# Altium PCB PCB1.PcbDoc (part 2 of 2)
Units mm, origin at the board's own origin, x right, y up, seen from the top; angles counter-clockwise.
Board outline 78 x 59.5 mm, 4 copper layers (Top Layer, Int1 (GND), Int2 (PWR), Bottom Layer), stack 1.586 mm thick; 216 components, 130 nets, 654 pads, 382 vias.
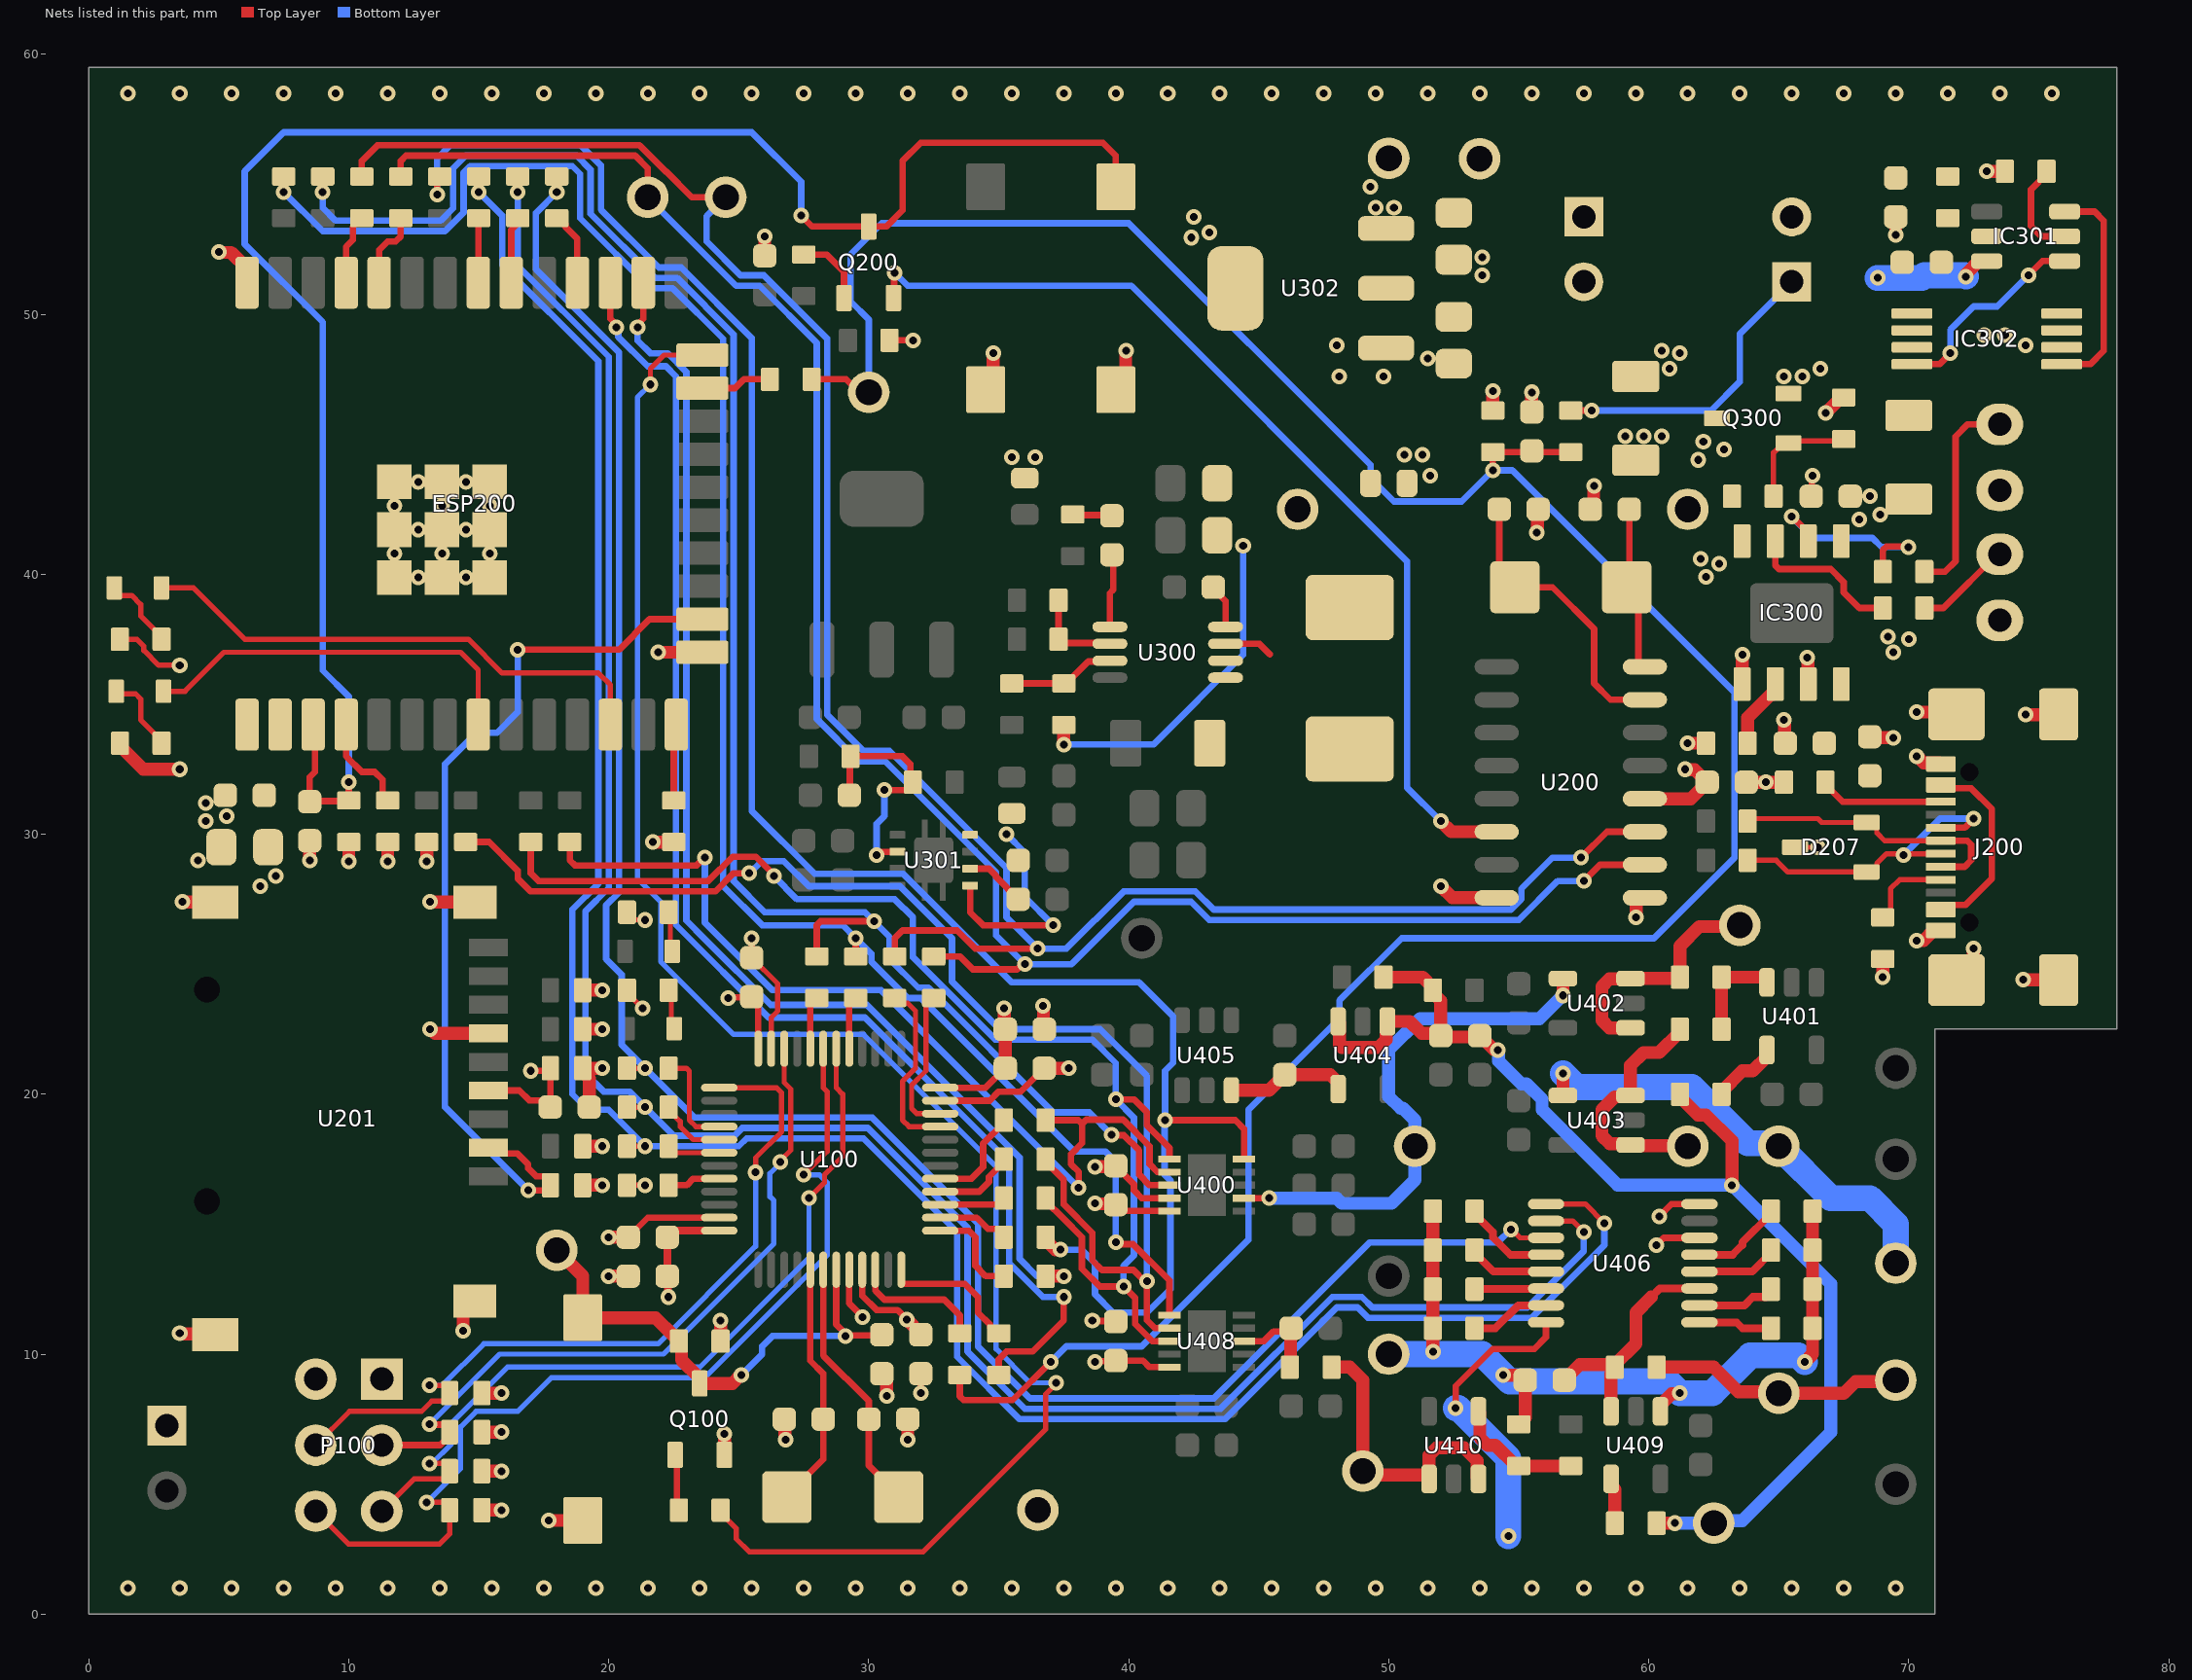
[diagram p4: the nets of this part, all layers, seen from the top]

## Via types
v1: diameter 0.6, hole 0.3, Top Layer to Bottom Layer, tented both sides, 382 vias

## Nets (pads, with @x,y where several pads share a name; then routed paths per layer and width w, separated by ;. In a path a pad name is that pad's centre, name@x,y a point inside that pad or via, vN(x,y) a via of type N, cw(c..) or ccw(c..) an arc to the next point about the centre after c; other vN are vias at no path point) (continued)
GND: B100.1 C100.1 C102.1 C103.1 C104.1 C105.1 C106.1 C107.1 C108.1 C109.1 C200.1 C201.1 C202.1 C203.1 C204.1 C205.1 C206.1 C207.2 C208.2 C300.1 C303.2 C307.1 C314.1 C315.1 C316.1 C400.1 C412.1 D103.2 D104.2 D105.2 D106.2 D202.2 D203.2 D204.2 D205.2 D206.2 D207.3 ESP200. ESP200.1 ESP200.15 ESP200.38 ESP200.39 FB301.1 IC300.1 IC300.3 IC302.6 IC302.7 J200.A1B12 J200.A12B1 J200.S1 J200.S2 J200.S3 J200.S4 MODE200.1 P100.2 Q100.2 R111.2 R206.2 R210.1 R211.1 R304.1 R309.2 R312.2 R315.2 S200.2 S201.2 U100.8 U100.23 U100.35 U100.47 U200.1 U201.6 U201.10 U201.11 U201.12 U201.13 U302.1 U400.9 U406.6 U406.8 | length 81.3
  Top Layer w0.2: R111.2@20.7,16.5 v1(21.4,16.5) ; C106.1@25.5,25.25 26.5,24.25 26.5,23.2 26.25,22.95 U100.35@26.25,21.75 ; D207.3@65.625,29.5 v1(66.5,29.5)
  Top Layer w0.25: C104.1@20.75,14.5 21.5,15.25 U100.47@24.25,15.25 ; C106.1@25.5,25.25 v1(25.5,26) ; U100.8@29.25,13.25 29.25,11.954 29.766,11.438 v1(29.766,11.421) ; v1(32,8.5) C103.1@32,9.25 ; U100.23@32.75,19.75 34.65,19.75 35,20.1 35.85,20.1 C108.1@36.75,21 ; v1(38.6,11.3) 38.625,11.275 39.475,11.275 C412.1@39.5,11.25 ; C400.1@39.5,17.25 39.5,17.234 40.2,16.534 40.2,16.3 40.5,16 U400.9@41.565,16 ; v1(60.3,14.2) 60.575,14.475 U406.6@61.95,14.475 ; v1(60.4,15.3) 60.875,15.775 U406.8@61.95,15.775 ; C300.1@66.25,43 66.275,43.025 66.275,43.775 v1(66.3,43.8)
  Top Layer w0.5: v1(3.5,10.8) 3.519,10.781 4.833,10.781 U201.12@4.869,10.745 ; v1(3.6,27.4) 3.609,27.391 4.86,27.391 U201.11@4.869,27.382 ; v1(5,52.4) 5.019,52.381 5.474,52.381 6.09,51.765 ESP200.38@6.09,51.215 ; v1(8.5,29) C202.1@8.5,29.75 ; v1(13.125,22.5) 13.152,22.5 13.311,22.341 U201.6@15.377,22.341 ; v1(13.125,27.4) 13.134,27.391 14.85,27.391 U201.10@14.859,27.382 ; v1(14.4,10.9) 14.4,11.655 14.785,12.04 U201.13@14.851,12.04 ; D105.2@15.122,4 v1(15.872,4) ; D104.2@15.122,5.5 v1(15.872,5.5) ; D103.2@15.122,7 v1(15.872,7) ; D106.2@15.122,8.5 15.124,8.499 15.874,8.499 v1(15.875,8.497) ; v1(17.7,3.6) B100.1@19,3.6 ; D205.2@19,16.5 v1(19.75,16.5) ; D204.2@19,18 v1(19.75,18) ; D203.2@19,22.5 v1(19.75,22.5) ; D202.2@19,24 v1(19.75,24) ; C206.1@19.25,19.5 19.25,20.61 19,20.86 D206.2@19,21 v1(19.75,21) ; v1(20,13) C107.1@20.75,13 ; v1(20,14.5) C104.1@20.75,14.5 ; v1(21.7,29.7) R206.2@22.5,29.7 ; v1(21.9,37) ESP200.15@23.6,37 ; Q100.2@24.45,6.125 v1(24.45,6.925) ; C203.1@26,52.25 v1(26,53) ; C109.1@26.75,7.5 26.781,7.469 26.781,6.719 v1(26.8,6.7) ; C100.1@30.5,9.25 30.681,9.069 30.681,8.419 v1(30.7,8.4) ; v1(31.5,6.7) C102.1@31.5,7.5 ; S201.2@34.5,47.1 34.781,47.381 34.781,48.481 v1(34.8,48.5) ; v1(36.7,23.4) 36.719,23.381 36.719,22.531 C105.1@36.75,22.5 ; C108.1@36.75,21 v1(37.7,21) ; v1(38.7,17.2) 38.719,17.219 39.469,17.219 C400.1@39.5,17.25 ; S200.2@39.5,47.1 39.881,47.481 39.881,48.581 v1(39.9,48.6) ; R315.2@54,46.3 v1(54,47.05) ; C314.1@55.5,46.25 v1(55.5,47) ; v1(55.7,41.6) 55.719,41.619 55.719,42.469 C208.2@55.75,42.5 ; C207.2@57.75,42.5 57.881,42.631 57.881,43.381 v1(57.9,43.4) ; v1(59.5,26.8) 59.519,26.819 59.519,27.509 59.565,27.555 U200.1@59.85,27.555 ; v1(61.5,33.5) R304.1@62.2,33.5 ; IC300.1@63.595,35.775 63.598,35.778 63.598,36.898 v1(63.6,36.9) ; C204.1@63.75,32 v1(64.5,32) R211.1@65.2,32 ; v1(65.2,34.4) 65.219,34.381 65.219,33.531 C303.2@65.25,33.5 ; v1(66.1,36.8) 66.118,36.782 66.118,35.793 IC300.3@66.135,35.775 ; v1(66.8,46.2) 67.4,46.8 R309.2@67.5,46.8 ; C205.1@68.5,33.75 68.531,33.719 69.381,33.719 v1(69.4,33.7) ; v1(69,24.5) R210.1@69,25.2 ; v1(69.5,53.05) C307.1@69.5,53.75 ; v1(70.3,25.9) 70.319,25.919 70.579,25.919 70.96,26.3 J200.A1B12@71.235,26.3 ; v1(70.3,33) 70.327,33 70.577,32.75 71.185,32.75 J200.A12B1@71.235,32.7 ; v1(70.3,34.7) 71.745,34.7 J200.S2@71.835,34.61 ; J200.S1@71.835,24.39 72.488,25.043 72.488,25.588 v1(72.5,25.6) ; v1(73,55.5) R312.2@73.7,55.5 ; v1(74.4,24.4) 75.755,24.4 J200.S3@75.765,24.39 ; v1(74.5,34.6) 75.755,34.6 J200.S4@75.765,34.61
  other v1: 1.5,1 3.5,1 5.5,1 7.5,1 9.5,1 11.5,1 13.5,1 15.5,1 17.5,1 19.5,1 21.5,1 23.5,1 25.5,1 27.5,1 29.5,1 31.5,1 33.5,1 35.5,1 37.5,1 39.5,1 41.5,1 43.5,1 45.5,1 47.5,1 49.5,1 51.5,1 53.5,1 55.5,1 57.5,1 59.5,1 61.5,1 63.5,1 65.5,1 67.5,1 69.5,1 4.2,29 4.5,30.5 5.3,30.7 4.5,31.2 35.5,44.5 36.4,44.5 48.1,47.6 49.8,47.6 51.5,48.3 48,48.8 74.5,48.8 72.9,49.2 73.7,49.2 53.6,51.5 53.6,52.2 1.5,58.5 3.5,58.5 5.5,58.5 7.5,58.5 9.5,58.5 11.5,58.5 13.5,58.5 15.5,58.5 17.5,58.5 19.5,58.5 21.5,58.5 23.5,58.5 25.5,58.5 27.5,58.5 29.5,58.5 31.5,58.5 33.5,58.5 35.5,58.5 37.5,58.5 39.5,58.5 41.5,58.5 43.5,58.5 45.5,58.5 47.5,58.5 49.5,58.5 51.5,58.5 53.5,58.5 55.5,58.5 57.5,58.5 59.5,58.5 61.5,58.5 63.5,58.5 65.5,58.5 67.5,58.5 69.5,58.5 71.5,58.5 73.5,58.5 75.5,58.5
MCU_SPI_MISO: R116.2 U100.16 | length 3.1
  Top Layer w0.25: U100.16@32.75,16.25 34.25,16.25 34.621,16.621 34.621,16.821 35.2,17.4 R116.2@35.2,17.5
MCU_SPI_MOSI: R117.2 U100.17 | length 4
  Top Layer w0.25: U100.17@32.75,16.75 33.95,16.75 34.4,17.2 34.4,18.1 35.2,18.9 R117.2@35.2,19
MCU_SPI_SCLK: R115.2 U100.15 | length 2.6
  Top Layer w0.25: U100.15@32.75,15.75 34.975,15.75 35.2,15.975 R115.2@35.2,16
NET: ESP200.4 R203.1 | length 3.9
  Top Layer w0.25: ESP200.4@9.9,34.215 9.9,33 10.5,32.4 11,32.4 11.3,32.1 11.3,31.5 R203.1@11.5,31.3
NetC207_1: C207.1 U200.8 X200.1 | length 6.4
  Top Layer w0.25: C207.1@59.25,42.5 59.25,39.6 X200.1@59.15,39.5 59.605,39.045 59.605,36.607 59.767,36.445 U200.8@59.85,36.445
NetC208_1: C208.1 U200.7 X200.2 | length 11.3
  Top Layer w0.25: C208.1@54.25,42.5 54.25,40.1 X200.2@54.85,39.5 56.3,39.5 57.9,37.9 57.9,35.8 58.525,35.175 U200.7@59.85,35.175
NetC301_2: C301.2 C317.2 FB300.2 L300.1 R302.2 TP302.1 U300.6 U300.7 | length 15.1
  Top Layer w0.25: U300.7@43.725,37.325 45.025,37.325 45.425,36.925
  Top Layer w0.5: v1(37.5,33.45) R302.2@37.5,34.2
  Bottom Layer w0.25: v1(37.5,33.45) 40.95,33.45 44.4,36.9 v1(44.4,41.1)
NetC304_1: C304.1 R307.2 | length 1.5
  Top Layer w0.25: R307.2@37.85,42.3 37.875,42.275 39.325,42.275 C304.1@39.35,42.25
NetC304_2: C304.2 U300.1 | length 2.8
  Top Layer w0.25: U300.1@39.275,37.975 39.275,39.275 39.4,39.4 39.4,40.7 C304.2@39.35,40.75
NetC305_2: C305.2 U300.8 | length 1.7
  Top Layer w0.25: C305.2@43.25,39.5 43.25,39.446 43.725,38.971 U300.8@43.725,37.975
NetC306_1: C306.1 IC301.6 IC302.2 IC302.3 SW302.2 | length 4.6
  Top Layer w0.5: v1(72.2,51.45) 72.219,51.469 72.219,51.569 72.7,52.05 IC301.6@73,52.05
  Bottom Layer w1: v1(68.8,51.4) 70.5,51.4 70.6,51.5 72.15,51.5 v1(72.2,51.45)
NetC306_2: C306.2 IC301.5 R310.1
NetC309_2: C309.2 FB302.2 U301.5 U301.8 | length 8.7
  Top Layer w0.25: U301.5@33.9,28.025 33.9,27 34.4,26.5 v1(37.1,26.5)
  Bottom Layer w0.25: v1(35.3,30) 36,29.3 36,27.6 v1(37.1,26.5)
NetC310_1: C310.1 R311.1 R314.2 U301.2 | length 9.4
  Top Layer w0.25: C310.1@29.25,31.5 29.275,31.525 29.275,32.975 R311.1@29.3,33 31.3,33 31.6,32.7 31.6,32.1 R314.2@31.7,32 31.7,31.925 31.475,31.7 v1(30.6,31.7) ; v1(30.301,29.202) 30.396,29.202 30.518,29.325 U301.2@31.1,29.325
  Bottom Layer w0.25: v1(30.301,29.202) 30.301,30.401 30.6,30.7 v1(30.6,31.7)
NetC313_2: C313.2 U301.6 | length 2.4
  Top Layer w0.25: U301.6@33.9,28.675 34.625,28.675 34.9,28.4 34.9,28.35 C313.2@35.75,27.5
NetC314_2: C314.2 R118.1 R217.2 R313.2 R315.1 TP309.1 | length 104
  Top Layer w0.25: R217.2@27.8,47.5 29.135,47.5 29.635,47 TP309.1@30,47 ; R118.1@33.5,9.2 33.5,8.38 33.646,8.234 35.534,8.234 v1(37,9.7) ; v1(54,44) R315.1@54,44.7 R313.2@57,44.7
  Bottom Layer w0.25: TP309.1@30,47 30,49.8 29.3,50.5 29.3,52.3 30.5,53.5 40,53.5 49.3,44.2 49.3,43.7 50.2,42.8 52.8,42.8 v1(54,44) 54.75,44 63.3,35.45 63.3,29.1 60.2,26 50.5,26 48.1,23.6 48.1,22.9 44.6,19.4 44.6,14.4 44.3,14.1 40.5,10.3 37.6,10.3 v1(37,9.7)
NetC409_2: C409.2 U404.4 U405.6 | length 4.7
  Top Layer w0.5: U405.6@43.95,20.15 45.4,20.15 C409.2@46,20.75 47.75,20.75 48.05,20.45 U404.4@48.05,20.2
NetC414_1: C414.1 R413.1 U406.3 U409.3 | length 9.3
  Top Layer w0.3: 60.1,12.2 60.425,12.525 U406.3@61.95,12.525
  Top Layer w0.5: C414.1@56.75,9 57.35,9.6 58.6,9.6 R413.1@58.7,9.5 ; U409.3@58.55,7.8 58.55,9.25 58.7,9.4 R413.1@58.7,9.5 ; 60.1,12.2 59.507,11.607 59.507,10.407 58.7,9.6 R413.1@58.7,9.5
NetC414_2: C414.2 R405.2 R406.2 R407.2 R408.2 R409.2 R410.2 R411.2 R412.2 R414.1 TP409.1 U409.1 | length 32.6
  Top Layer w0.5: v1(51.7,10.1) R407.2@51.7,11 R406.2@51.7,12.5 R405.2@51.7,14 R408.2@51.7,15.5 ; v1(54.4,9.2) 54.419,9.181 55.069,9.181 C414.2@55.25,9 55.25,7.55 55.2,7.5 55.2,7.4 55.1,7.3 R414.1@55,7.3 ; U409.1@60.45,7.8 60.45,8.05 60.881,8.481 61.181,8.481 v1(61.2,8.5) ; v1(66,9.7) 66.3,10 R409.2@66.3,11 R411.2@66.3,12.5 R412.2@66.3,14 R410.2@66.3,15.5
  Bottom Layer w1: TP409.1@50,10 53.6,10 v1(54.4,9.2) 54.65,8.95 60.75,8.95 v1(61.2,8.5) 62.45,8.5 63.9,9.95 65.75,9.95 v1(66,9.7)
NetC416_2: C416.2 R415.2 U408.3 | length 3.7
  Top Layer w0.25: U408.3@44.25,10.5 45.2,10.5 45.576,10.876 46.126,10.876 C416.2@46.25,11
  Top Layer w0.5: R415.2@46.2,9.5 46.225,9.525 46.225,10.975 C416.2@46.25,11
NetD100_1: D100.1 R102.1 | length 1.6
  Top Layer w0.2: R102.1@22.3,27 22.37,26.93 22.37,25.57 D100.1@22.44,25.5
NetD101_1: D101.1 R103.1 | length 1.6
  Top Layer w0.2: R103.1@22.3,24 22.408,23.892 22.408,22.633 D101.1@22.516,22.525
NetD200_1: D200.1 R200.1 | length 3.1
  Top Layer w0.2: D200.1@1.06,35.5 1.16,35.4 1.8,35.4 2,35.2 2,34.4 2.8,33.6 R200.1@2.8,33.5
NetD201_1: D201.1 R201.1 | length 3
  Top Layer w0.2: D201.1@0.984,39.475 0.984,39.385 1.184,39.185 1.655,39.185 2,38.84 2,38.4 2.8,37.6 R201.1@2.8,37.5
NetD207_1: D207.1 J200.A6 J200.B6 R208.2 | length 12.7
  Top Layer w0.2: R208.2@63.8,29 64.9,29 65.35,28.55 D207.1@68.375,28.55 68.575,28.55 68.775,28.75 68.775,28.875 69.15,29.25 v1@69.8,29.25 ; v1(69.8,29.2) 69.85,29.25 J200.A6@71.235,29.25
  Top Layer w0.25: J200.B6@71.235,30.25 72.15,30.25 v1(72.5,30.6)
  Bottom Layer w0.25: v1(69.8,29.2) 71.2,30.6 v1(72.5,30.6)
NetD207_2: D207.2 J200.A7 J200.B7 R207.2 | length 11
  Top Layer w0.2: R207.2@63.8,30.5 63.9,30.6 66.5,30.6 66.65,30.45 68.569,30.45 68.769,30.25 68.769,30.055 69.075,29.75 J200.A7@71.235,29.75
  Top Layer w0.25: J200.B7@71.235,28.75 72.15,28.75 72.4,29 72.4,29.6 72.25,29.75 J200.A7@71.235,29.75
NetD300_1: D300.1 L300.2 U300.5
NetD301_2: D301.2 R301.2 | length 3.8
  Top Layer w0.25: R301.2@70.6,38.7 71.33,38.7 73.4,40.77 D301.2@73.5,40.77
NetD302_2: D302.2 D303.2 Q300.2 SW301.1 TP307.1
  other v1: 65.2,47.6 65.9,47.6 60.8,47.9 66.6,47.9 61.2,48.5 60.5,48.6
NetD304_2: D304.2 R303.2 | length 8.1
  Top Layer w0.25: R303.2@70.6,40.1 71.4,40.1 71.8,40.5 71.8,45.3 72.27,45.77 D304.2@73.5,45.77
NetESP200_14: ESP200.14 R206.1 | length 3
  Top Layer w0.25: R206.1@22.5,31.3 22.5,34.115 ESP200.14@22.6,34.215
NetESP200_23: ESP200.23 R217.1 | length 2.7
  Top Layer w0.25: ESP200.23@23.6,47.16 24.86,47.16 25.2,47.5 R217.1@26.2,47.5
NetESP200_26: ESP200.26 R122.1 | length 49
  Top Layer w0.25: v1(21.107,49.507) 21.107,49.601 21.33,49.825 ESP200.26@21.33,51.215
  Top Layer w0.5: R122.1@36.8,13 v1(37.5,13)
  Bottom Layer w0.25: v1(21.107,49.507) 21.107,48.993 21.6,48.5 22.266,48.5 22.985,47.781 22.985,26.681 23.683,25.983 26.233,23.433 29.933,23.433 35.8,17.566 35.8,13.666 36.466,13 v1(37.5,13)
NetESP200_27: ESP200.27 R121.1 | length 53.9
  Top Layer w0.25: ESP200.27@20.06,51.215 20.06,49.835 20.3,49.595 v1(20.3,49.5) ; R121.1@35,9.2 35,9.8 35.3,10.1 36.3,10.1 37.5,11.3 v1(37.5,12.2)
  Bottom Layer w0.25: v1(20.3,49.5) 20.367,49.433 20.367,49.13 21.497,48 22.2,48 22.585,47.615 22.585,26.515 26.15,22.95 29.85,22.95 35.4,17.4 35.4,13.5 36.7,12.2 v1(37.5,12.2)
NetESP200_28: ESP200.28 R218.1 | length 2.9
  Top Layer w0.25: R218.1@18,53.7 18.1,53.7 18.325,53.475 18.325,53.375 18.79,52.91 ESP200.28@18.79,51.215
NetESP200_30: ESP200.30 R219.1 | length 2.6
  Top Layer w0.25: ESP200.30@16.25,51.215 16.25,53.25 16.5,53.5 R219.1@16.5,53.7
NetESP200_31: ESP200.31 R220.1 | length 2.5
  Top Layer w0.25: ESP200.31@14.98,51.215 14.99,51.225 R220.1@14.99,53.7
NetESP200_34: ESP200.34 R223.2 | length 3
  Top Layer w0.25: ESP200.34@11.17,51.215 11.17,52.47 11.5,52.8 11.8,52.8 12,53 R223.2@12,53.7
NetESP200_35: ESP200.35 R222.2 | length 2.8
  Top Layer w0.25: ESP200.35@9.9,51.215 9.9,52.6 10.161,52.861 10.161,53.361 10.175,53.375 10.175,53.475 10.4,53.7 R222.2@10.5,53.7
NetIC300_2: IC300.2 R304.2 | length 2.8
  Top Layer w0.5: R304.2@63.8,33.5 63.8,34.478 64.698,35.375 64.79,35.375 64.865,35.45 IC300.2@64.865,35.775
NetIC300_6: IC300.6 R303.1 | length 8.1
  Top Layer w0.25: v1(65.5,42.225) 65.51,42.225 66.135,41.6 IC300.6@66.135,41.275 ; R303.1@69,40.1 69,40.925 69.146,41.071 69.965,41.071 v1(69.986,41.05)
  Bottom Layer w0.25: v1(65.5,42.225) 66.325,41.4 68.6,41.4 68.95,41.05 v1(69.986,41.05)
NetIC300_7: IC300.7 R301.1 | length 6
  Top Layer w0.25: IC300.7@64.865,41.275 64.865,40.346 65.011,40.2 67,40.2 67.5,39.7 67.5,39.3 68.1,38.7 R301.1@69,38.7
NetIC301_1: IC301.1 IC302.4 | length 8.1
  Top Layer w0.25: IC302.4@70.12,48.081 71.181,48.081 v1(71.6,48.5) ; v1(74.6,51.5) 75.15,52.05 IC301.1@76,52.05
  Bottom Layer w0.25: v1(71.6,48.5) 71.6,49.4 72.5,50.3 73.4,50.3 v1(74.6,51.5)
NetIC301_2: IC301.2 R312.1 | length 3.8
  Top Layer w0.25: R312.1@75.3,55.5 75.3,55.4 74.7,54.8 74.7,53.4 75.1,53 IC301.2@76,53
NetIC301_3: IC301.3 IC302.5 | length 8.5
  Top Layer w0.25: IC302.5@75.88,48.081 76.981,48.081 77.5,48.6 77.5,53.6 77.15,53.95 IC301.3@76,53.95
NetIC302_1: IC302.1 IC302.8
NetJ200_A5: J200.A5 R210.2 | length 3.3
  Top Layer w0.2: R210.2@69,26.8 69.05,26.8 69.3,27.05 69.3,27.9 69.65,28.25 J200.A5@71.235,28.25
NetJ200_B5: J200.B5 R211.2 | length 4.8
  Top Layer w0.25: R211.2@66.8,32 66.8,31.9 67.45,31.25 J200.B5@71.235,31.25
NetQ100_1: Q100.1 R101.1 | length 2.2
  Top Layer w0.25: Q100.1@22.55,6.125 22.625,6.05 22.625,4.075 R101.1@22.7,4
NetQ200_1: Q200.1 R209.2 | length 2.8
  Top Layer w0.25: R209.2@27.5,52.3 28.375,52.3 29.05,51.625 Q200.1@29.05,50.625
NetQ300_1: Q300.1 R308.1 R309.1 | length 4.6
  Top Layer w0.2: R308.1@64.8,43 64.8,44.675 65.175,45.05 Q300.1@65.375,45.05 65.45,45.125 67.425,45.125 R309.1@67.5,45.2
NetR105_2: R105.2 U100.21 | length 7
  Top Layer w0.2: R105.2@31,23.7 31.2,23.5 31.5,23.5 31.8,23.2 31.8,21 31.3,20.5 31.3,19 31.55,18.75 U100.21@32.75,18.75
NetR106_2: R106.2 U100.22 | length 5.8
  Top Layer w0.2: R106.2@32.5,23.7 32.45,23.7 32.2,23.45 32.2,20.9 31.65,20.35 31.65,19.45 31.85,19.25 U100.22@32.75,19.25
NetR107_2: R107.2 U100.40 | length 4
  Top Layer w0.2: R107.2@22.3,21 22.983,21 23.1,20.883 23.1,19 23.35,18.75 U100.40@24.25,18.75
NetR108_2: R108.2 U100.41 | length 2.6
  Top Layer w0.2: R108.2@22.3,19.5 22.3,19.4 22.75,18.95 22.75,18.75 23.25,18.25 U100.41@24.25,18.25
NetR109_2: R109.2 U100.42 | length 2.1
  Top Layer w0.2: R109.2@22.3,18 22.55,17.75 U100.42@24.25,17.75
NetR111_1: R111.1 U100.44 | length 2.1
  Top Layer w0.25: R111.1@22.3,16.5 23,16.5 23.25,16.75 U100.44@24.25,16.75
NetR120_2: R120.2 U100.32 | length 2.1
  Top Layer w0.25: U100.32@27.75,21.75 27.75,23.475 27.975,23.7 R120.2@28,23.7
NetR300_1: R300.1 R306.2 U300.2 | length 3.5
  Top Layer w0.25: R306.2@37.3,39 R300.1@37.3,37.5 37.446,37.354 39.246,37.354 U300.2@39.275,37.325
NetR302_1: R302.1 R305.2 U300.3 | length 4.1
  Top Layer w0.25: R305.2@35.5,35.8 R302.1@37.5,35.8 37.6,35.8 38.446,36.646 39.246,36.646 U300.3@39.275,36.675
NetR402_2: R402.2 U401.4 | length 2.7
  Top Layer w0.5: R402.2@62.8,20 62.8,20.1 63.6,20.9 64,20.9 64.55,21.45 U401.4@64.55,21.7
NetR403_1: R403.1 R404.1 U401.3 | length 3.9
  Top Layer w0.5: R404.1@62.8,22.5 R403.1@62.8,24.5 64.5,24.5 64.55,24.45 U401.3@64.55,24.3
NetR403_2: R403.2 TP404.1 U402.1 U402.3 | length 9.5
  Top Layer w0.5: U402.3@59.284,24.434 58.493,24.434 58.2,24.141 58.2,22.843 58.493,22.55 U402.1@59.3,22.55 ; U402.3@59.3,24.45 61.15,24.45 R403.2@61.2,24.5 61.2,25.7 61.95,26.45 63.45,26.45 TP404.1@63.5,26.5
NetR404_2: R404.2 TP406.1 U403.1 U403.3 | length 9.5
  Top Layer w0.5: R404.2@61.2,22.5 61.2,22.4 60.4,21.6 59.8,21.6 59.3,21.1 U403.3@59.3,19.95 59.25,19.9 58.693,19.9 58.2,19.407 58.2,18.4 58.5,18.1 59.25,18.1 U403.1@59.3,18.05 59.325,18.025 61.475,18.025 TP406.1@61.5,18